# Altium PCB PCBFireflyCaseV2.PcbDoc (part 2 of 2)
Units mil, origin at the board's own origin, x right, y up, seen from the top; angles counter-clockwise.
Board outline 2748 x 1806 mil, 2 copper layers (Top Layer, Bottom Layer); 152 components, 135 nets, 532 pads, 332 vias.
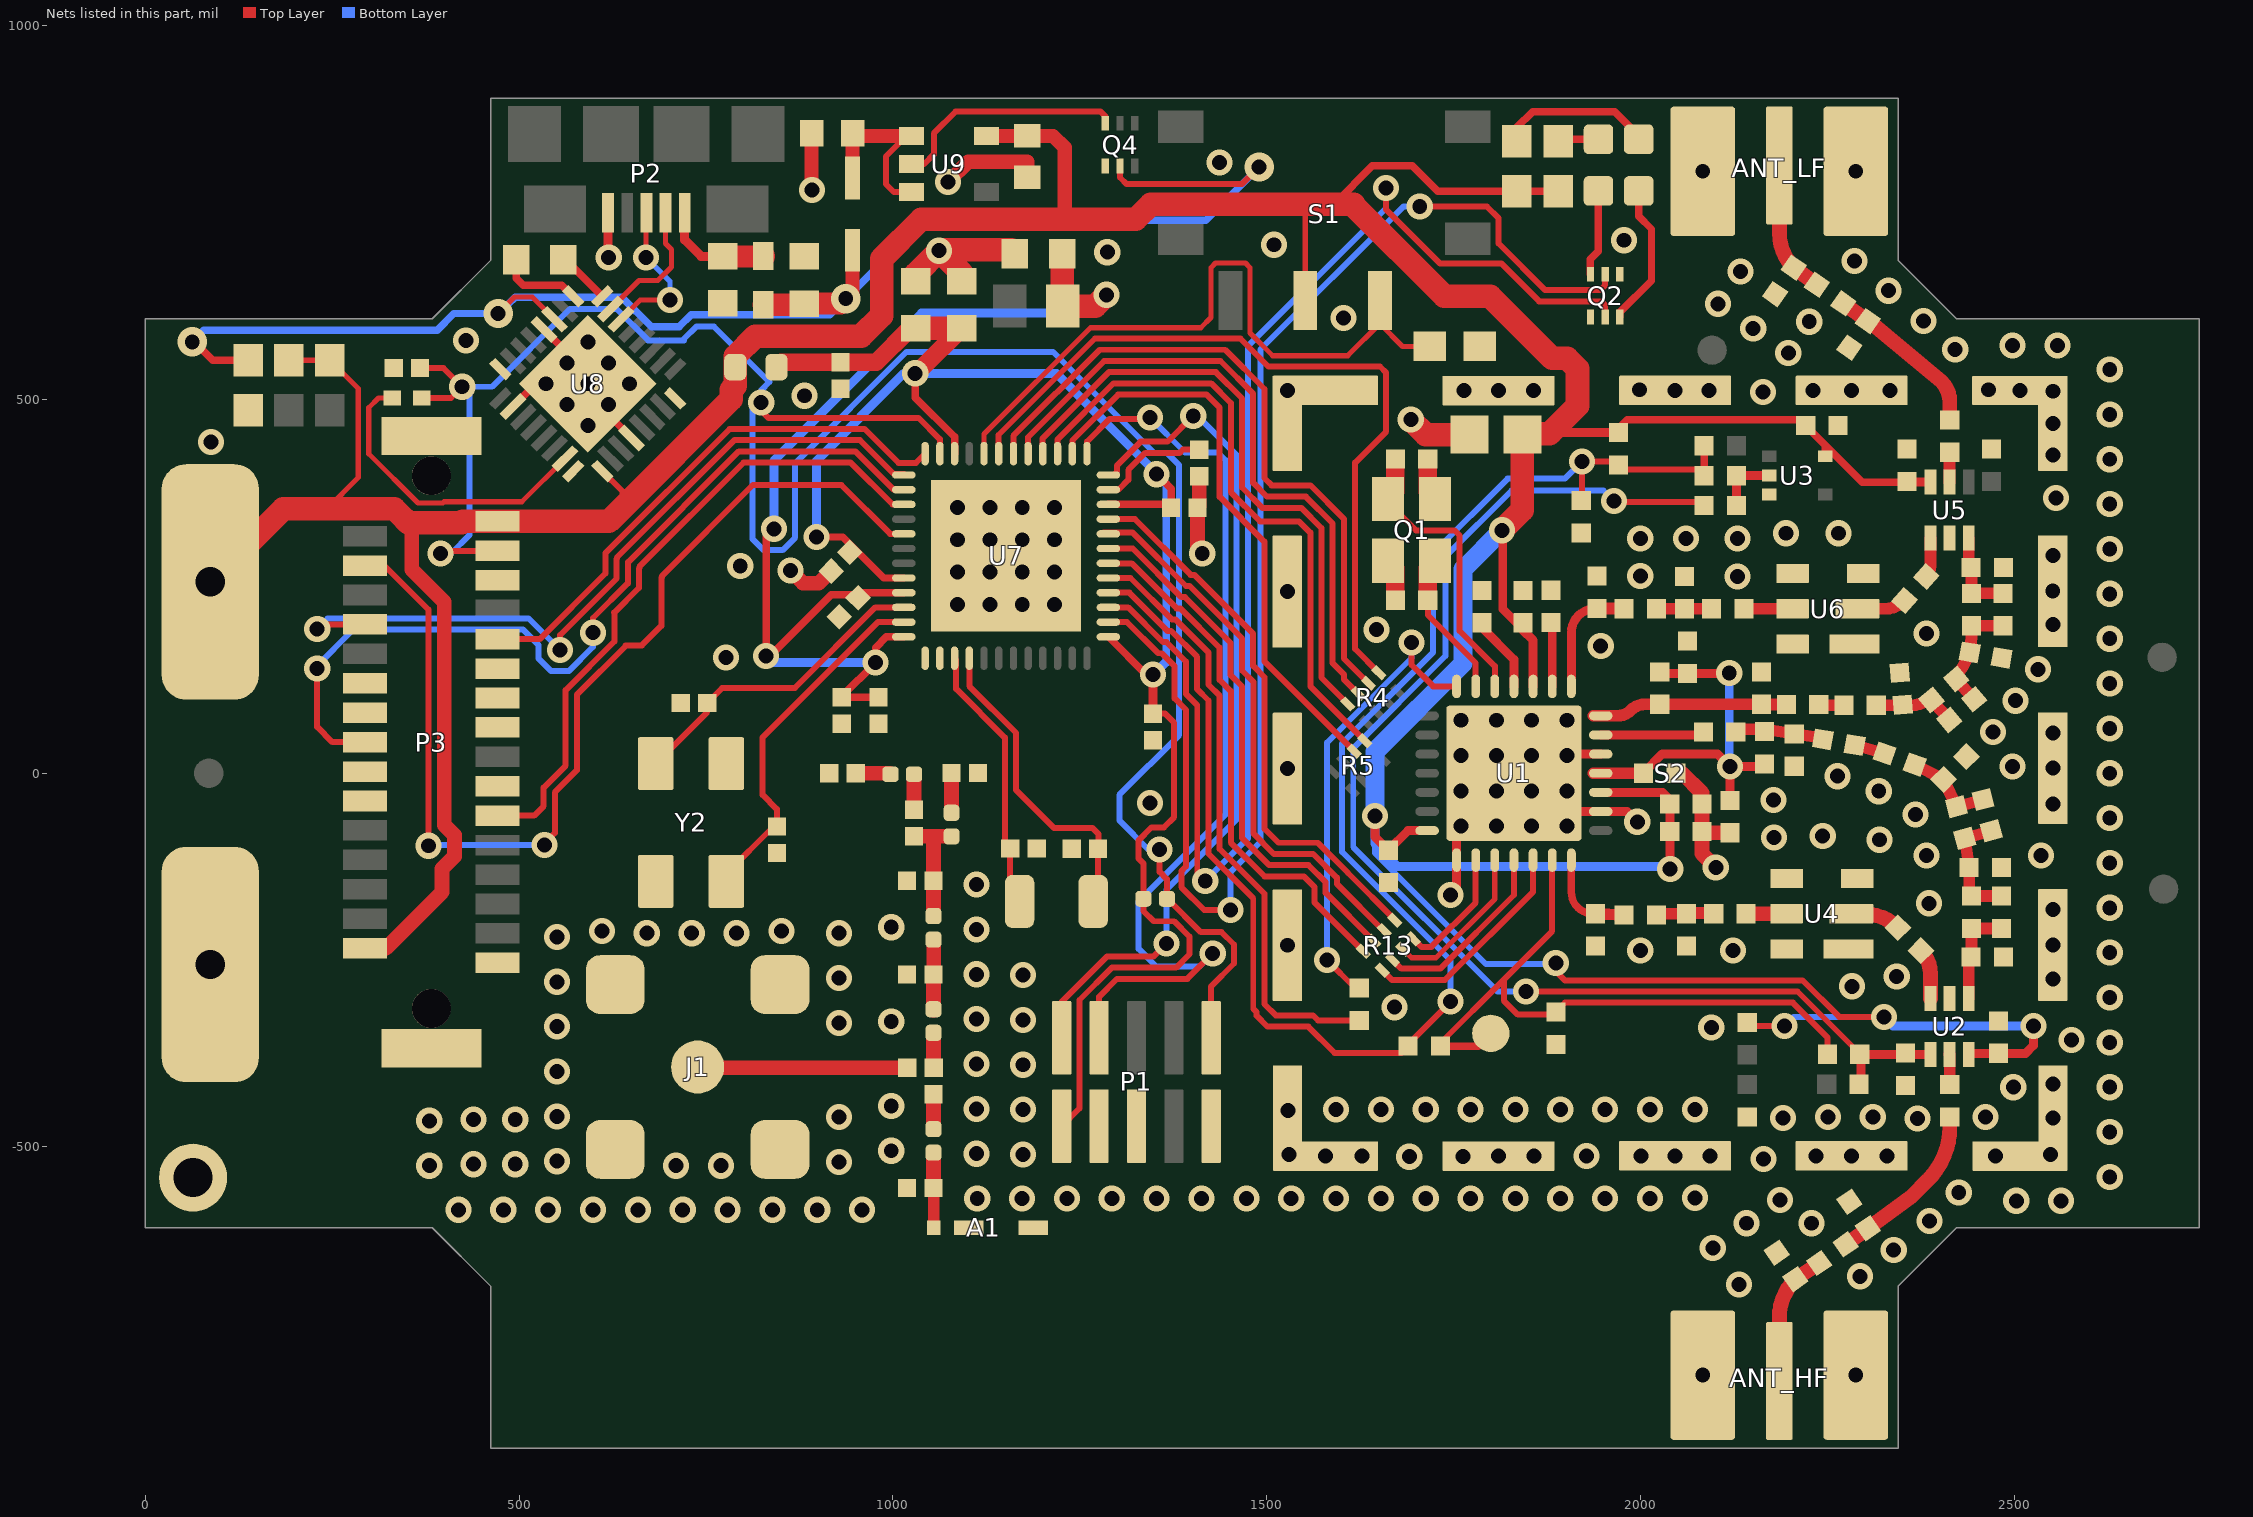
[diagram p2: the nets of this part, all layers, seen from the top]

## Via types
v1: diameter 35, hole 20, Top Layer to Bottom Layer, 319 vias
v2: diameter 35, hole 20, Top Layer to Bottom Layer, tented top, 9 vias
v3: diameter 39.4, hole 19.7, Top Layer to Bottom Layer, 4 vias

## Nets (pads, with @x,y where several pads share a name; then routed paths per layer and width w, separated by ;. In a path a pad name is that pad's centre, name@x,y a point inside that pad or via, vN(x,y) a via of type N, cw(c..) or ccw(c..) an arc to the next point about the centre after c; other vN are vias at no path point) (continued)
DIO8: Q2.G1 U7.14 | length 1886.4
  Top Layer w8: U7.14@1288.39,202.12 1313.38,202.12 1355.01,160.5 1359.8,160.5 1377.12,143.19 1377.12,100.1 1392.32,84.9 1392.32,-124.68 1386,-131 1386,-152.31 1416.7,-183 v1(1452,-183) ; v1(1705,758) 1795,758 1810.44,742.56 1810.44,708.56 1872.7,646.3 1946.3,646.3 1953,653 Q2.G1@1953,667.54
  Bottom Layer w8: v1(1452,-183) 1452,-131.69 1492,-91.69 1492,567 1683,758 v1(1705,758)
DIO9: Q2.G2 U7.15 | length 1855.7
  Top Layer w8: U7.15@1288.39,221.81 1314.91,221.81 1361.22,175.5 1366.02,175.5 1392.12,149.4 1392.12,106.31 1407.32,91.11 1407.32,-133.32 v1(1418,-144) ; v1(1660,783) 1660,753.83 1731.83,682 1814,682 1864.7,631.3 1947.7,631.3 1953,626 Q2.G2@1953,610.46
  Bottom Layer w8: v1(1418,-144) 1475,-87 1475,571.21 1660,756.21 v1(1660,783)
DIO10: R9.2 R10.1 R11.2 R15.2 R21.2 U7.16 | length 2211.7
  Top Layer w8: U7.16@1288.39,241.49 1316.44,241.49 1367.43,190.5 1372.23,190.5 1407.12,155.61 1407.12,112.52 1422.32,97.32 1422.32,-107.53 1482.23,-167.44 1482.23,-315.1 1486.8,-319.68 1486.8,-324.43 1501.37,-339 1556,-339 1591,-374 1680.35,-374 R21.2@1689.35,-365 ; R21.2@1688.07,-363.73 v1(1746.3,-305.5) ; R10.1@1921,364.65 1925,368.65 1922,371.65 v1(1922,417) 1966.35,417 R9.2@1976.85,406.5 ; R9.2@1971,412.35 R9.2@1976.85,406.5 ; R15.2@2085.35,398 2076.85,406.5 R9.2@1976.85,406.5
  Top Layer w10: R15.2@2085.35,398 R11.2@2085.35,438
  Bottom Layer w8: v1(1746.3,-305.5) 1746.3,-250.45 1601,-105.15 1601,39.86 1722.5,161.36 1722.5,294.02 1822.48,394 1899,394 v1(1922,417)
DIO11: R14.2 U7.17 | length 812.5
  Top Layer w8: U7.17@1288.39,261.18 1317.97,261.18 1373.65,205.5 1378.44,205.5 1422.12,161.83 1422.12,118.73 1437.32,103.54 1437.32,-101.32 1497.23,-161.23 1497.23,-308.89 1512.34,-324 1562.21,-324 1568.87,-330.65 R14.2@1624,-330.65
DIO12: R13.8 U7.18 | length 712.4
  Top Layer w8: U7.18@1288.39,280.86 1319.5,280.86 1379.86,220.5 1384.66,220.5 1437.12,168.04 1437.12,124.95 1452.32,109.75 1452.32,-92.96 1497.36,-138 1550,-138 1564,-152 1564,-172.76 R13.8@1629.59,-238.35
DIO13: R13.7 U7.19 | length 724.5
  Top Layer w8: U7.19@1288.39,300 U7.19@1288.39,300.55 1321.02,300.55 1386.07,235.5 1390.87,235.5 1452.12,174.25 1452.12,131.16 1467.32,115.96 1467.32,-86 ; 1467.45,-86.88 1503.57,-123 1556.21,-123 1579,-145.79 1579,-159.92 R13.7@1643.51,-224.43
DIO14: R13.6 U7.20 | length 751.3
  Top Layer w8: U7.20@1288.39,320.23 1283.74,320.23 1282.18,321.8 1320.99,321.8 1392.29,250.5 1397.08,250.5 1467.12,180.47 1467.12,137.37 1482.32,122.18 1482.32,-80.53 1509.79,-108 1562.43,-108 1594,-139.57 1594,-148 R13.6@1656.97,-210.97
DIO15: R13.5 U7.21 | length 749.5
  Top Layer w8: U7.21@1288.39,339.92 1324.08,339.92 1398.5,265.5 1403.3,265.5 1482.12,186.68 1482.12,143.59 1497.32,128.39 1497.32,-74.32 1516,-93 1568.64,-93 1609,-133.36 1609,-133.43 R13.5@1671.76,-196.19
DIO16: R5.6 U7.26 | length 781.5
  Top Layer w8: U7.26@1240.16,427.52 1240.16,445.13 1301.54,506.5 1419.8,506.5 1437.21,489.1 1437.21,369.79 1497.12,309.88 1497.12,149.8 R5.6@1617.43,29.49
DIO17: R5.5 U7.27 | length 849.3
  Top Layer w8: U7.27@1220.48,427.52 1220.48,446.65 1295.32,521.5 1426.02,521.5 1452.21,495.31 1452.21,376.01 1491.19,337.02 1543.2,337.02 1558.5,321.72 1558.5,116.26 R5.5@1631.35,43.41
DIO18: R4.8 U7.28 | length 835.9
  Top Layer w8: U7.28@1200.53,427.78 1200.53,447.92 1289.11,536.5 1432.23,536.5 1467.21,501.52 1467.21,382.22 1494.43,355 1546.43,355 1573.5,327.93 1573.5,127.74 R4.8@1608.59,92.65
DIO19: R4.7 U7.29 | length 873.6
  Top Layer w8: U7.29@1181.11,427.52 1180.84,427.78 1180.84,449.45 1282.9,551.5 1438.44,551.5 1482.21,507.74 1482.21,388.43 1500.64,370 1552.65,370 1588.5,334.15 1588.5,147.21 1603.49,132.22 1603.49,125.59 R4.7@1622.51,106.57
DIO20: R4.6 U7.30 | length 910.6
  Top Layer w8: U7.30@1161.42,427.52 1161.42,451.24 1276.68,566.5 1444.66,566.5 1497.21,513.95 1497.21,394.65 1506.85,385 1558.86,385 1603.5,340.36 1603.5,153.42 R4.6@1636.43,120.49
DIO21: R4.5 U7.31 | length 1047.7
  Top Layer w8: U7.31@1141.74,427.52 1141.47,427.78 1141.47,452.5 1270.47,581.5 1464.87,581.5 1502.34,544.03 1651.72,544.03 1659.97,535.79 1659.97,456.97 1618.5,415.5 1618.5,166.26 R4.5@1650.35,134.41
DIO22: R20.2 S1.NO U7.32 | length 920.7
  Top Layer w7: U7.32@1122.05,427.52 1122.05,453.59 1264.46,596 1412,596 1425.55,609.55 1425.55,676.24 1431.7,682.39 1471.9,682.39 1478.05,676.24 1478.05,588.83 1508.34,558.53 1608.53,558.53 S1.NO@1651.8,601.8 ; S1.NO@1651.8,632.52 S1.NO@1651.8,601.8 ; R20.2@1718.54,571 1682,571 1651.8,601.2 S1.NO@1651.8,601.8
DIO23: P3.9 U7.36 | length 728.3
  Top Layer w8: P3.9@471.33,179.38 527.71,179.38 615.5,267.17 615.5,292.67 616,293.17 616,294.75 781.75,460.5 962.33,460.5 1007.83,415 1030.79,415 U7.36@1043.31,427.52
DIO24: P3.8 U7.37 | length 1050.1
  Top Layer w8: v1(230,193) 236.06,199.06 P3.8@294.17,199.06 P3.8@285.11,190 ; v1(554.77,165.05) 554.77,184.6 630.5,260.32 630.5,286.46 631,286.96 631,288.54 787.96,445.5 956.11,445.5 1001.61,400 U7.37@1014.77,400
  Bottom Layer w8: v1(230,193) 244,207 512.82,207 v1(554.77,165.05)
DIO25: P3.16 U7.38 | length 1173.5
  Top Layer w8: v1(230,140) 230,62 250.42,41.58 P3.16@294.17,41.58 ; v1(599,188) 599,207.61 645.5,254.11 645.5,280.25 646,280.75 646,282.32 794.18,430.5 949.9,430.5 1001.11,379.29 U7.38@1014.77,379.29
  Bottom Layer w8: v1@228,142 278,192 505.6,192 526.27,171.33 526.27,153.25 542.97,136.55 566.58,136.55 599,168.97 v1(599,188)
DIO26: P3.21 U7.39 | length 875
  Top Layer w8: P3.21@471.33,-56.84 520.3,-56.84 533,-44.14 533,-19.31 562.5,10.19 562.5,111.19 627.5,176.19 627.5,214.5 627.3,214.7 660.5,247.9 660.5,274.03 661,274.53 661,276.11 800.39,415.5 943.69,415.5 999.58,359.61 U7.39@1014.77,359.6
DIO28: P3.4 U7.41 | length 1418.7
  Top Layer w8: P3.4@294.17,277.8 320.11,277.8 379,218.91 v1(379,-97) ; v1@533,-95 548,-80 548,-25.52 577.5,3.98 577.5,104.98 642.5,169.98 642.5,171 664.31,171 690.5,197.19 690.5,261.61 691,262.11 691,263.68 812.82,385.5 931.26,385.5 996.52,320.24 U7.41@1014.77,320.23
  Bottom Layer w8: v1(379,-97) 380,-96 v1(534,-96)
FTDI_3V3: C73.2 U8.16 | length 72.3
  Top Layer w10: C73.2@559.5,687 562.41,687 U8.16@611.49,637.92
FTDI_CTS: U8.8
FTDI_DTR: C76.2 U8.31 | length 412.6
  Top Layer w7: C76.2@330.31,502 312,502 299,489 299,427.41 365.03,361.38 397.87,361.38 399.6,363.11 503.7,363.11 U8.31@561.38,420.78
FTDI_RTS: U8.32
FTDI_VIO: C3.2 C6.1 C21.2 C23.2 C26.2 C27.2 C43.2 C45.2 C75.2 FL1.2 J2.pos P3.1 P3.30 R7.1 R9.1 R17.1 R18.1 R22.2 R23.2 S1.COM U1.3 U1.14 U1.24 U2.6 U3.5 U5.6 U8.1 U9.VOUT | length 7475.1
  Top Layer w7: R23.2@192,552.46 R22.2@247,552.46 285,514.46 285,395.7 243,353.7
  Top Layer w8: U8.1@611.49,404.08 638.42,377.14 638.42,355 ; 1544,759 1551.8,751.2 S1.COM@1551.8,632.52 ; v1(1887,-254) 1887,-265 1899,-277 2217,-277 2266,-326 v1(2326,-326) ; R7.1@2143,-333.35 2147.65,-338 v1(2193,-338)
  Top Layer w10: 1591,762 1641.5,812.5 1695.13,812.5 1729.09,778.54 R17.1@1835,778.54 R18.1@1890,778.54 ; 1616.5,759.5 1616.5,761 ; R9.1@1971,461.8 1982.2,473 2213.35,473 C6.1@2221.35,465 2247.46,438.89 ; U3.5@2247.46,424 2247.46,438.89 ; C43.2@2357,389.35 2297,389.35 2247.46,438.89
  Top Layer w11.81: v1(1645,-57) 1645,-84.97 C21.2@1662.99,-102.96 1689.18,-76.77 U1.14@1714.86,-76.77 ; v1@1816,325 1816,219.74 1834.4,201.35 C3.2@1843,201.35 1843,191.46 1856.59,177.87 U1.3@1856.59,116.14
  Top Layer w12: 1878.54,454 1880.19,455.65 R9.1@1971,455.65 ; U1.24@1947.14,-25.59 1947.14,-25.8 2029.8,-25.8 2040,-36 v1(2040,-128) ; C43.2@2357,389.35 2388.02,389.35 U5.6@2388.08,389.4 ; U2.6@2439.26,-376.04 2440.64,-374.65 C45.2@2479,-374.65 2515.35,-374.65 2526,-364 v1(2526,-338)
  Top Layer w19: U9.VOUT@1125.2,852.4 C75.2@1179.84,852.4 ; C75.2@1180,852.56 1214.44,852.56 1230,837 1230,741.13
  Top Layer w20: P3.30@294.17,-234.01 322.15,-234.01 397,-159.16 397,-127.79 413.5,-111.29 413.5,-82.71 400,-69.21 400,229 356.5,272.5 356.5,330.22
  Top Layer w31.5: J2.pos@87,255.91 184.79,353.7 243,353.7 333.12,353.7 346.45,340.37 346.45,340.27 351.59,335.13 423.14,335.13 424.87,336.86 P3.1@471.33,336.86 620.28,336.86 638.42,355 783.75,500.33 783.75,512.67 789.25,518.17 789.25,557.8 816.2,584.75 957.68,584.75 985,612.07 985,688 1038.13,741.13 1230,741.13 1325.13,741.13 1345,761 1616.5,761 ; 1616.5,759.5 1738,638 1799,638 1882,555 1902,555 1916,541 1916,491.46 1880.19,455.65 ; v1(1815,325) 1842,352 1842,458 1846,454 1878.54,454
  Bottom Layer w8: 1645,-94.28 1645,-106.72 1793.64,-255.36 v1@1885.64,-255.36 ; v1(2193,-338) 2205,-326 v1(2326,-326)
  Bottom Layer w12: v1(1645,-57) 1645,-94.28 1675.72,-125 v1@2040,-125 ; v1(2326,-326) 2338,-338 v1(2526,-338)
  Bottom Layer w25.59: v1(1645,-57) 1645,29 1763,147 1763,273 v1(1815,325)
GND: A1.2 A1.3 ANT_HF.2 ANT_LF.2 C1.1 C2.1 C3.1 C4.1 C5.1 C6.2 C7.1 C8.1 C10.1 C11.1 C13.1 C15.1 C16.1 C17.1 C21.1 C22.2 C23.1 C25.1 C26.1 C27.1 C29.1 C30.1 C32.1 C34.1 C35.1 C37.1 C40.1 C41.1 C42.2 C43.1 C45.1 C46.1 C47.1 C48.1 C49.1 C50.1 C51.1 C52.1 C53.1 C54.1 C55.1 C56.1 C57.1 C58.1 C62.1 C63.1 C64.1 C65.1 C66.1 C67.1 C68.1 C69.1 C70.1 C71.1 C72.1 C73.1 C74.1 C75.1 GND.1 J1.2 J1.3 J1.4 J1.5 J2.neg L13.1 P1.3 P1.5 P1.9 P2.Pin5 P3.31 P3.M3 P3.M4 Q1.2 Q1.4 Q2.S1 Q2.S2 Q4.S1 R8.2 R10.2 R19.1 R20.1 S2.SHIELD U1.15 U1.23 U1.26 U1.29 U2.2 U3.3 U4.1 U4.3 U4.4 U4.6 U5.2 U6.1 U6.3 U6.4 U6.6 U7.49 U8.4 U8.17 U8.20 U8.24 U8.26 U8.33 Y2.2 Y2.4 | length 2014.2
  Top Layer w10: U8.26@491.78,490.38 522.4,521 v2(592,521) ; C73.1@496.5,687 496.5,662.31 505.82,653 557.44,653 U8.17@572.51,637.92 ; U8.20@533.54,593.38 592,534.92 v2(592,521) ; v1@619.21,690.79 v1(620,690) ; U8.4@650.46,448.62 592,507.08 v2(592,521)
  Top Layer w12: v1@619.21,690.79 P2.Pin5@619.21,749.69 ; v1(1746,-163) 1754.23,-154.77 U1.15@1754.23,-116.14 1754.23,-76.77 v1(1760.13,-70.87) v1(1807.38,-23.62) ; U1.29@1760.13,25.59 U1.26@1947.14,25.59 ; U1.29@1831,0 v1(1854.62,-23.62) 1882.18,-51.18 U1.23@1947.14,-51.18 1982.18,-51.18 v1(1996,-65)
  Top Layer w19: C74.1@891.44,856 891.44,780.56 v1(892,780) ; v1(1074,791) 1101,818 1180,818 C75.1@1180,797.44
  Top Layer w19.68: v1(863,271) 880,254 901,254 C50.1@917.47,270.47
  Top Layer w20: C68.1@1410,397.28 1410,357.28 C49.1@1407.72,355 1407.72,298.28 1412,294 v1(1414,294) ; C35.1@2047.65,0 2056.11,0 2082.65,-26.55 C27.1@2082.65,-41 C26.1@2082.65,-78 ; v1(2101,-126) 2082.65,-107.65 C26.1@2082.65,-78 ; C8.1@2120,-79.65 2084.31,-79.65 C26.1@2082.65,-78
  Top Layer w25: Q1.4@1662.45,284.2 1672.39,274.26 C1.1@1672.39,231.32 ; C2.1@1715.6,420.23 1715.6,376.73 Q1.2@1725.44,366.88
  Top Layer w31.5: C52.1@1031,657.99 1031,668 v1(1062,699) 1092,669 C51.1@1092,657.99 ; v1@1062,700 1158.5,700 C53.1@1163.5,695 ; v1(1693,473) 1713,453 C23.1@1771.57,453
  other v1: 2132,-684 2294,-673 2339,-638 2097,-635 2142,-602 2229,-602 2387,-599 419,-584 479,-584 539,-584 599,-584 659,-584 719,-584 779,-584 839,-584 899,-584 959,-584 2503,-572 2563,-572 2187,-571 1113,-569 1173,-569 1233,-569 1293,-569 1353,-569 1413,-569 1473,-569 1533,-569 1593,-569 1653,-569 1713,-569 1773,-569 1833,-569 1893,-569 1953,-569 2013,-569 2073,-568 2426,-561 2628,-540 380,-525 710,-525 770,-525 439,-523 495,-523 928,-520 551,-519 2165,-516 1691,-513 1763,-513 1579.03,-512.2 1628,-512 1810.23,-512.18 1858,-512 1928,-512 2001,-512 2046.53,-511.96 2093,-512 2235,-512 2282.68,-511.96 2330,-512 2475,-512 1174,-510 1530,-510 2549,-510 1112,-509 998,-505 2628,-480 380,-465 439,-463 495,-463 2371,-462 2191,-461 2552.07,-461.37 928,-460 2251,-460 2311,-460 2462,-460 551,-459 1529,-451 1174,-450 1593,-450 1653,-450 1713,-450 1773,-450 1833,-450 1893,-450 1953,-450 2013,-450 2073,-450 1112,-449 998,-445 2499,-420 2628,-420 2552,-416 551,-399 1174,-390 1112,-389 2628,-360 2577,-357 2095,-340 551,-339 928,-334 998,-332 1174,-330 1112,-329 1671,-313 2628,-300 2283,-285 551,-279 2552,-275 928,-274 2343,-272 1174,-270 1112,-269 2628,-240 2000,-237 2124,-237 1527.91,-230.1 2551.85,-229.57 551,-219 671,-214 731,-214 791,-214 928,-214 611,-211 851,-211 1112,-209 998,-206 2552,-182 2628,-180 2386,-174 1112,-149 2628,-120 2383,-110 2536,-110 2320,-89 2179,-86 2244,-84 1807.38,-70.87 1854.62,-70.87 1901.87,-70.87 2628,-60 2368,-55 2552,-41 1344,-40 2178,-36 1760.13,-23.62 1901.87,-23.62 2319,-24 2264,-4 2628,0 1528,6.17 2551.94,6.7 2498,9 1760.13,23.62 1807.38,23.62 1854.62,23.62 1901.87,23.62 2552,54 2472,55 2628,60 1760.13,70.87 1807.38,70.87 1854.62,70.87 1901.87,70.87 2502,97 2628,120 2532,139 777,155 1947,170 2628,180 2383,187 1647,192 2552,199 1086.62,225.75 1129.92,225.75 1173.23,225.75 1216.54,225.75 2628,240 1527.8,242.95 2551.75,243.48 2130,263 2000,264 1086.62,269.05 1129.92,269.05 1173.23,269.05 1216.54,269.05 796,277 2552,291 2628,300 1086.62,312.36 1129.92,312.36 1173.23,312.36 1216.54,312.36 2000,314 2061,314 2130,314 2195,321 2265,321 1086.62,355.67 1129.92,355.67 1173.23,355.67 1216.54,355.67 2628,360 2556,368 2628,420 2552,426 88,443 2551.97,467.91 2628,480 882,505 2164,510 2552,511 1528,512 1764,512 1810.31,511.85 1857,512 2046.6,512.07 2092,512 2231,512 2282.75,512.07 2334,512 2507.82,511.99 1999,513 2466,513 2628,540 2198,562 2421.28,566.76 2498,572 2558,572 429,579 2151,595 2226,604 2379,605 1603,609 2104,628 2332.26,645.5 2134,671 2286.67,685.19 1287,697 1510,707 1978,713 1437,817
  other v2: 592,465.32 564.16,493.16 619.84,493.16 536.32,521 647.68,521 564.16,548.84 619.84,548.84 592,576.68
JTAG_TCK: P1.4 U7.25 | length 1287.3
  Top Layer w8: U7.25@1259.85,427.52 1259.85,443.6 1290.25,474 1342,474 v1(1344,476) ; P1.4@1276,-353.94 1276,-299 1300,-275 1394,-275 v1(1428,-241)
  Bottom Layer w8: v1(1344,476) 1391,429 1435,429 1445,419 1445,-55.48 1329,-171.48 1329,-235 1352.5,-258.5 1410.5,-258.5 v1(1428,-241)
JTAG_TMS: P1.2 U7.24 | length 1143.7
  Top Layer w8: P1.2@1226,-353.94 1226,-305.92 1286.92,-245 1349,-245 v1(1366,-228) ; U7.24@1288.39,398.97 1295.76,398.98 1300.14,403.35 1300.14,411.97 1331.66,443.5 1367.5,443.5 v1(1402,478)
  Bottom Layer w8: v1(1366,-228) 1366,-155.69 1460,-61.69 1460,425.21 1407.21,478 v1(1402,478)
MCU_NRESET: C58.2 C76.1 P1.10 P3.3 R12.1 U7.35 | length 3182.3
  Top Layer w8: C58.2@367.72,542 399,542 v1(424,517) 409,502 C76.1@369.68,502 ; v1(395,294) 395,295 397.49,297.49 P3.3@471.33,297.49 ; v1(824,496) 824,485 833.5,475.5 1034.36,475.5 1063,446.86 U7.35@1063,427.52 ; v1(1357,-102) 1357,-132 1366.75,-141.75 R12.1@1366.75,-168 1367.52,-168 1412.02,-212.5 1439.8,-212.5 1456.5,-229.19 1456.5,-254.5 1426,-285 P1.10@1426,-353.94
  Bottom Layer w8: v1(395,294) 409,294 434,319 434,506 v1@423.5,516.5 ; v1(424,517) 464,517 568,621 630.65,621 672.65,579 720.5,579 720.5,580.81 737.19,597.5 760.81,597.5 835,523.31 824,512.31 v1(824,496) 821,496 812.5,487.5 812.5,313.19 827.19,298.5 852.81,298.5 869.5,315.19 869.5,414.81 1018.19,563.5 1214.5,563.5 1349.5,428.5 1366.5,428.5 1383,412 1383,51 1303,-29 1303,-63 1342,-102 v1(1357,-102)
MCU_RX0: P3.18
MCU_TX0: P3.19
MISO: P3.13
MISO_SX: R13.3 U1.17 | length 212.1
  Top Layer w7: R13.3@1682.49,-235.57 1693.76,-246.84 1726.6,-246.84 1805.41,-168.03 U1.17@1805.41,-116.14
MOSI: P3.12
MOSI_SX: R13.2 U1.18 | length 254.9
  Top Layer w8: R13.2@1668.57,-249.49 1680.42,-261.34 1732.61,-261.34 1831,-162.95 U1.18@1831,-116.14
NetA1_1: A1.1 C64.2 R16.1 | length 96.4
  Top Layer w15.75: A1.1@1054.77,-607.98 C64.2@1054.77,-558.4
  Top Layer w19.68: R16.1@1054.42,-508.06 1054.42,-554.75 C64.2@1054.52,-554.75
NetANT_HF_1: ANT_HF.1 C47.2 L14.2 | length 180.4
  Top Layer w20: ANT_HF.1@2186,-813 2186,-728.45 cw(c2259.13,-728.45) C47.2@2207.42,-676.74 L14.2@2239.17,-655.18
NetANT_LF_1: ANT_LF.1 C41.2 L11.2 | length 180.3
  Top Layer w20: ANT_LF.1@2186,813 2186,722.97 ccw(c2251.81,722.97) C41.2@2205.27,676.44 L11.2@2236.26,653.42
NetC4_2: C4.2 U1.2 | length 85.2
  Top Layer w11.81: U1.2@1882.18,116.14 C4.2@1882.18,201.35
NetC5_2: C5.2 U1.4 | length 102.9
  Top Layer w11.81: C5.2@1788.34,201.35 1788.34,194.69 1831,152.03 U1.4@1831,116.14
NetC7_2: C7.2 C8.2 C35.2 L1.1 L2.2 U1.25 | length 510.7
  Top Layer w12: C35.2@2004.35,0 2004.35,0.67 2029.47,25.8 2103.2,25.8 v1(2120,9) ; L1.1@2026,133.65 2026.31,133.35 C7.2@2063,133.35 ; C7.2@2063,133.65 v1@2118.65,133.65 ; C8.2@2120,-36.35 v1(2120,9) ; L2.2@2166,9 v1(2120,9)
  Top Layer w15.75: U1.25@1937,0 U1.25@1947.14,0 C35.2@2004.35,0 ; v1@2118.65,133.65 v1(2119,134)
  Bottom Layer w12: v1@2119,9 v1(2119,134)
NetC9_1: C9.1 L4.1 | length 41.4
  Top Layer w15.75: C9.1@2286.87,37.74 L4.1@2326.65,26.41
NetC9_2: C9.2 C10.2 L2.1 L3.1 | length 114.7
  Top Layer w15.75: L3.1@2131.31,59 2166,58.65 C10.2@2206,52.65 C9.2@2245.08,46.6
NetC11_2: C11.2 C12.2 L4.2 L5.1 | length 120.5
  Top Layer w15.75: L4.2@2367.35,11.59 C11.2@2405.69,-8.31 L5.1@2423,-45 C12.2@2458.51,-35.52
NetC12_1: C12.1 C13.2 C14.2 L5.2 L6.1 | length 155.3
  Top Layer w15.75: L6.1@2440,-165 2440,-164.35 C13.2@2439.95,-126.06 L5.2@2434.21,-86.83 C12.1@2469.72,-77.35 ; L6.1@2443,-164.35 C14.2@2483,-164.35
NetC14_1: C14.1 C15.2 L6.2 U2.1 | length 135.1
  Top Layer w15.75: U2.1@2439.26,-301.23 2439.26,-249.09 C15.2@2442.35,-246 2443,-245.35 L6.2@2443,-207.65 C14.1@2483,-207.65
NetC16_2: C16.2 L7.1 U1.21 | length 130.1
  Top Layer w10: U1.21@1907.77,-116.14 1907.77,-159.17 ccw(c1936.6,-159.17) C16.2@1936.6,-188
  Top Layer w15.75: C16.2@1936.6,-188 1939.99,-188.13 L7.1@1978.35,-189.65
NetC17_2: C17.2 C18.2 L7.2 | length 77.4
  Top Layer w15.75: L7.2@2021.65,-189.65 cw(c2025.65,-193.65) 2025.65,-188 C17.2@2062,-188 cw(c2064.76,-190.76) 2064.76,-186.86 C18.2@2098.35,-186.86
NetC18_1: C18.1 U4.5 | length 54.1
  Top Layer w20: C18.1@2141.65,-188 U4.5@2195.76,-188
NetC19_1: C19.1 U2.3 | length 67.3
  Top Layer w20: C19.1@2375.31,-237.31 cw(c2344.49,-268.13) 2388.08,-268.13 U2.3@2388.08,-301.23
NetC19_2: C19.2 U4.2 | length 67.3
  Top Layer w20: U4.2@2282.37,-188 2299.57,-188 cw(c2299.57,-251.81) C19.2@2344.69,-206.69
NetC20_1: C20.1 C46.2 L14.1 | length 232.5
  Top Layer w20: L14.1@2274.65,-630.34 2302.88,-610.25 2363,-566 2384.71,-544.29 ccw(c2314,-473.58) 2414,-473.58 C20.1@2414,-459.65
NetC20_2: C20.2 U2.5 | length 40.4
  Top Layer w15.75: U2.5@2413.67,-376.04 2414,-376.37 C20.2@2414,-416.35
NetC28_1: C28.1 L8.1 | length 33.7
  Top Layer w15.75: C28.1@2238.65,91 L8.1@2272.35,91
NetC28_2: C28.2 C29.2 L1.2 U1.28 | length 262.5
  Top Layer w15.75: U1.28@1937,76.77 U1.28@1947.14,76.77 1969.55,76.77 ccw(c1969.55,101.45) 1987,84 cw(c2007.15,63.85) 2007.15,92.35 C29.2@2162,92.35 ; C29.2@2162,92 C28.2@2195.35,92
NetC30_2: C30.2 C31.2 L8.2 L9.1 | length 110.6
  Top Layer w15.75: L8.2@2315.65,91 2363.07,91 ccw(c2363.07,125.42) L9.1@2387.41,101.08 ; L9.1@2389.41,98.08 C31.2@2413.41,71.08
NetC31_1: C31.1 C32.2 C33.2 L9.2 L10.1 | length 152.5
  Top Layer w15.75: L9.2@2420.59,128.92 ccw(c2366.48,183.03) 2443,183.03 L10.1@2443,197.35 C33.2@2485,197.35 ; L9.2@2422.59,125.92 C31.1@2446.59,98.92
NetC33_1: C33.1 C34.2 L10.2 U5.3 | length 119.7
  Top Layer w15.75: U5.3@2439.26,314.6 2439.26,275 C34.2@2442.35,275 2443,275 L10.2@2443,240.65 C33.1@2485,240.65
NetC36_1: C36.1 U6.5 | length 65.1
  Top Layer w15.75: C36.1@2138.65,220 U6.5@2203.76,220
NetC36_2: C36.2 C37.2 L12.2 | length 73.7
  Top Layer w15.75: L12.2@2021.65,220 C37.2@2059,220 C36.2@2095.35,220
NetC38_1: C38.1 U5.1 | length 53
  Top Layer w15.75: C38.1@2382.49,263.09 ccw(c2369,276.58) 2388.08,276.58 U5.1@2388.08,314.6
NetC38_2: C38.2 U6.2 | length 66.1
  Top Layer w15.75: U6.2@2290.37,220 2327.18,220 ccw(c2327.18,257.24) C38.2@2353.51,230.91
NetC39_1: C39.1 C40.2 L11.1 | length 222.1
  Top Layer w20: L11.1@2271.74,628.58 C40.2@2304.42,604.74 ; C40.2@2305.11,605.57 2402.69,524.31 cw(c2375.37,497) 2414,497 C39.1@2414,472.65
NetC39_2: C39.2 U5.5 | length 37.1
  Top Layer w15.75: U5.5@2413.67,389.4 2413.67,426.01 C39.2@2414,426.35
NetC57_2: C57.2 L16.2 | length 47
  Top Layer w19.68: C57.2@950.47,-0.01 995.61,-0.01 L16.2@996.94,-1.33
NetC59_1: C59.1 C62.2 L17.1 L19.2 | length 156.5
  Top Layer w19.68: C59.1@1028.45,-84.45 1054.54,-84.43 ; C62.2@1054.54,-143.9 1054.54,-84.43 ; L17.1@1054.61,-191.6 C62.2@1054.61,-144.81 ; L19.2@1078.69,-84.43 1054.54,-84.43
NetC60_1: C60.1 J1.1 | length 280.3
  Top Layer w19.68: J1.1@739,-394 C60.1@1019.28,-394
NetC60_2: C60.2 C61.2 L18.2 | length 46.8
  Top Layer w19.68: C61.2@1054.52,-394.03 L18.2@1054.55,-347.24
NetC61_1: C61.1 R16.2 | length 46.8
  Top Layer w19.68: R16.2@1054.42,-475.53 C61.1@1054.42,-428.74
NetC63_2: C63.2 L17.2 L18.1 | length 93.6
  Top Layer w19.68: L18.1@1054.45,-316.62 C63.2@1054.45,-269.84 ; C63.2@1054.68,-268.8 L17.2@1054.68,-222.01
NetC66_2: C66.2 U7.3 Y1.1 | length 361.5
  Top Layer w8: U7.3@1082.68,153.9 1084.82,151.76 1084.82,112.85 1150,47.67 1150,-93.47 C66.2@1157.1,-100.58 1157.1,-159.07 Y1.1@1169.61,-171.58
NetC67_2: C67.2 U7.4 Y1.2 | length 430
  Top Layer w8: U7.4@1102.37,153.9 1102.37,116.52 1165,53.88 1165,-22.52 1215.98,-73.5 1267.5,-73.5 1275,-81 1275,-100.72 C67.2@1274.72,-101 1274.72,-164.89 Y1.2@1268.03,-171.58
NetC68_2: C68.2 U7.23 | length 151.8
  Top Layer w8: U7.23@1288.39,379.29 1302.05,379.29 1315.14,392.38 1315.14,405.76 1337.88,428.5 1383.71,428.5 1388.21,433 1409.72,433 C68.2@1410,432.72
NetC71_2: C71.2 L20.1 P2.Pin1 | length 150.9
  Top Layer w12: P2.Pin1@721.57,749.69 721.57,713.43 743.6,691.4 C71.2@772.66,691.4
  Top Layer w29.53: C71.2@772.66,691.4 L20.1@826.68,691.4
  Top Layer w31.5: L20.1@826.68,691.4 L20.1@826.96,691.69
NetC74_2: C74.2 D3.1 U9.EN U9.VIN | length 259
  Top Layer w7: U9.EN@1027.96,785.89 U9.EN@1033.95,785.89
  Top Layer w8: U9.EN@1024.8,777.6 1001.4,777.6 991,788 991,825.3 1018.11,852.4 U9.VIN@1024.8,852.4
  Top Layer w19: D3.1@946,796.23 946,855.44 949.04,852.4 U9.VIN@1018.11,852.4
NetD1_A: D1.A R18.2 | length 55.1
  Top Layer w10: R18.2@1890,845.46 1892.6,848.06 D1.A@1944,848.06
NetD1_C: D1.C Q2.D2 | length 115.9
  Top Layer w10: Q2.D2@1933.31,667.54 1933.31,687.31 1944,698 D1.C@1944,779
NetD2_A: D2.A R17.2 | length 208.4
  Top Layer w10: R17.2@1835,845.46 1835,864 1856,885 1966,885 1998,853 D2.A@1998,848.06
NetD2_C: D2.C Q2.D1 | length 193.1
  Top Layer w10: Q2.D1@1972.68,610.46 1972.68,616.69 2015,659 2015,728 1998,745 D2.C@1998,779
NetL3_2: L3.2 U1.27 | length 137.2
  Top Layer w12: U1.27@1947.14,51.18 L3.2@2084.35,51.18
NetL12_1: L12.1 L13.2 U1.1 | length 161.1
  Top Layer w11.81: U1.1@1907.77,116.14 1907.77,187.77 cw(c1940.35,187.77) 1940.35,220.35 L13.2@1942,220.35
  Top Layer w15.75: L13.2@1942,220.35 1978.35,220.35 L12.1@1978.35,220
NetQ4_D1: Q4.D1 U9.GND | length 316.7
  Top Layer w8: U9.GND@1024.8,815 1042,815 1055,828 1055,856 1084,885 1278,885 1284.32,878.69 Q4.D1@1284.32,869.54
NetR6_2: R6.2 R15.1 U3.2 | length 84.4
  Top Layer w12: R6.2@2128.65,358 R15.1@2128.65,398 2128.65,398.41 U3.2@2172.65,398.41
NRESET_SX: R14.1 U1.7 | length 632.5
  Top Layer w8: v1(1581,-250) 1618.35,-287.35 R14.1@1624,-287.35 ; v1(1694,175) 1694,145 1722.86,116.14 U1.7@1754.23,116.14
  Bottom Layer w8: v1(1581,-250) 1581,41.08 1694,154.08 v1(1694,175)
NSS_SX: R13.1 U1.19 | length 298.5
  Top Layer w8: R13.1@1654.65,-263.41 1667.58,-276.34 1738.82,-276.34 1856.59,-158.57 U1.19@1856.59,-116.14
PB4: P3.14
PB5: P3.15
PE2: P3.20
PG1: P3.5
RF_N: C65.2 L19.1 U7.2 | length 53.4
  Top Layer w19.68: L19.1@1078.69,-52.94 C65.2@1078.68,0.46
RF_P: C59.2 L16.1 U7.1 | length 47.7
  Top Layer w19.68: C59.2@1028.45,-49.01 L16.1@1028.45,-1.35
RXTX_LINK: C22.1 R1.2 R2.1 R6.1 U2.4 | length 1760.9
  Top Layer w8: v1(1847,-292) 2210.31,-292 R1.2@2295.31,-377 ; v1@1965,363 2080.35,363 R6.1@2085.35,358 ; C22.1@2355,-376.35 C22.1@2355.31,-376.04
  Top Layer w12: R2.1@2295.31,-420 2295.31,-377 2295.96,-376.35 C22.1@2355,-376.35 ; C22.1@2355.31,-376.04 U2.4@2388.08,-376.04
  Bottom Layer w8: v1(1847,-292) 1809.07,-292 1616,-98.93 1616,33.65 1739.2,156.86 1739.2,289.51 1827.85,378.15 1950.85,378.15 v1(1965,364)
RXTX_RF: R3.2
RXTX_RF_SX: R1.1 R3.1 R21.1 RXTX_RFMDOD.1 U1.20 | length 898.4
  Top Layer w8: R21.1@1732.65,-360.87 1817.5,-276.02 ; U1.20@1882.18,-116.14 1882.18,-211.34 1817.5,-276.02 ; R1.1@2250.35,-376 2250.35,-353.25 2204.09,-307 1899.35,-307 R3.1@1887,-319.35 1883.35,-323 1836.28,-323 1817.5,-304.22 1817.5,-276.02
  Top Layer w10: R21.1@1732.65,-365 1783,-365 RXTX_RFMDOD.1@1800,-348
SCK: P3.11
SCK_SX: R13.4 U1.16 | length 169.3
  Top Layer w8: R13.4@1696.41,-221.65 1707.09,-232.34 1720.6,-232.34 1779.82,-173.11 U1.16@1779.82,-116.14
USB_5V: C72.2 D3.2 L20.2 Q4.G1 R19.2 U8.19 | length 2124.2
  Top Layer w7: R19.2@138,552.46 R19.2@138,554.65 ; v3(472,615) 494,637 517.76,637 U8.19@547.46,607.3
  Top Layer w8: Q4.G1@1304,812.46 1304,797 1313,788 1467,788 v3(1490,811)
  Top Layer w10: v3(63,577) 63,580 90.54,552.46 R19.2@138,552.46
  Top Layer w19: v3@930.31,628.31 v3(937,635) 946,644 D3.2@946,699.77
  Top Layer w29.53: L20.2@826.96,626.73 880.01,626.73 C72.2@881.58,628.31 v3@930.31,628.31
  Bottom Layer w10: v3(63,577) 78.5,592.5 390.42,592.5 412.92,615 v3(472,615) ; v3@485,627 495,637 637.28,637 677.28,597 714.07,597 730.57,613.5 915.5,613.5 v3(937,635) 1042,740 1419,740 v3(1490,811)
USB_D_N: P2.Pin2 U8.15 | length 180.3
  Top Layer w7: U8.15@622.62,621.22 660.4,659 685.6,659 704,677.4 704,700.6 695.98,708.61 P2.Pin2@695.98,749.69
USB_D_P: P2.Pin3 U8.14 | length 206.2
  Top Layer w7: U8.14@636.54,607.3 662.24,633 v1(702,633) ; v1(670,690) 670,749.29 P2.Pin3@670.39,749.69
  Bottom Layer w7: v1(670,690) 702,658 v1(702,633)
VDDR: C53.2 C54.2 C55.2 C56.2 L15.2 U7.45 U7.48 | length 1486.9
  Top Layer w10: v1@829,150 917.73,238.73 949.32,238.73 C54.2@953.53,234.53 960.49,241.49 U7.45@1014.77,241.49 ; v1(830.5,157) 830.5,316.5 v1(841,327) ; C55.2@931.9,101.77 931.9,102.9 v1(977,148) 977,168 991.44,182.44 U7.48@1014.77,182.44 ; C55.2@931.93,101.74 C56.2@980.84,101.74
  Top Layer w31.5: L15.2@1226.5,625.94 C53.2@1226.5,695 ; L15.2@1227.43,625 1271,625 v1(1286,640)
  Bottom Layer w12: v1@831,148 v1(977,148) ; v1(841,327) 841,418 1038.43,615.43 1261.43,615.43 v1(1286,640)
VDDS: C25.2 C48.2 C49.2 C50.2 C51.2 C52.2 FL1.1 P1.1 R12.2 U7.13 U7.22 U7.34 U7.44 | length 2604.6
  Top Layer w8: P1.1@1226,-472.06 1249.8,-448.26 1249.8,-303.33 1293.13,-260 1379,-260 1397,-242 1397,-218.69 1376.3,-198 1349,-198 1335.25,-184.25 R12.2@1335.25,-168 1335.25,-120.56 1328.5,-113.81 1328.5,-90.19 1346.2,-72.5 1362.8,-72.5 1376.5,-58.81 1376.5,67.5 1364.28,79.72 C48.2@1345,79.72
  Top Layer w10: v1(898,316) 933,316 987.82,261.18 U7.44@1014.77,261.18 ; v1(1030,535) 1030,502.49 1082.68,449.81 U7.34@1082.68,427.52 ; U7.13@1288.39,182.44 1288.56,182.44 1339,132 v1(1348,132) ; U7.22@1288.39,359.6 1367.68,359.61 C49.2@1372.28,355 1372.28,380.72 v1(1353,400)
  Top Layer w12: C48.2@1345,79.72 1344,80.72 1349,85.72 1348,86.72 v1(1348,132)
  Top Layer w23.62: FL1.1@844.44,543.28 850.87,549.72 C25.2@930,549.72 977.72,549.72 1023,595 C52.2@1031,595 ; v1@1037,540 C51.2@1092,595
  Top Layer w31.5: C52.2@1031,595 C51.2@1092,595
  Bottom Layer w10: v1(1353,400) 1366,387 1366,149
  Bottom Layer w12: v1(898,316) 898,418 1015,535 v1(1030,535) 1218.96,535 1353,400.96 v1(1353,400) ; v1(1348,132) 1349,132 1366,149
X24M_N: C70.2 U7.46 Y2.3 | length 425.6
  Top Layer w8: Y2.3@682.88,12.86 751.72,81.7 C70.2@751.72,94 771.72,114 869,114 976.81,221.81 U7.46@1014.77,221.81
X24M_P: C69.2 U7.47 Y2.1 | length 483.8
  Top Layer w8: Y2.1@777.37,-144.62 777.37,-134.39 840.47,-71.28 C69.2@845,-71.28 845,-48 826,-29 826,48 980.12,202.12 U7.47@1014.77,202.12
XTA_N: C1.2 Q1.1 U1.6 | length 198.7
  Top Layer w8: C1.2@1715.7,231.32 1715.7,211.63 1779.82,147.51 U1.6@1779.82,116.14
  Top Layer w25: C1.2@1715.7,231.32 1715.7,274.46 Q1.1@1725.44,284.2
XTA_P: C2.2 Q1.3 U1.5 | length 396.2
  Top Layer w8: Q1.3@1660.28,364.72 1700,325 1751.38,325 1758.09,318.29 1758.09,190.44 1805.41,143.13 U1.5@1805.41,116.14
  Top Layer w25: Q1.3@1662.45,366.88 1672.29,376.72 C2.2@1672.29,420.23
pads on no net: Fid1. Fid2. Fid3. Fid4. P1.6 P1.7 P1.8 P2.Pin4 P2.Shield1 P2.Shield2 P2.Shield3 P2.Shield4 P2.Shield5 P2.Shield6 P3.2 Q4.D2 Q4.G2 Q4.S2 R5.1 R5.2 R5.7 R5.8 S1.1 S1.2 S1.3 S1.4 S1.NC U1.22 U3.1 U8.3 U8.5 U8.6 U8.7 U8.12 U8.13 U8.18 U8.23 U8.25 U8.27 U8.28 U8.29 U9.NC

## Polygon pours and split planes (outlines as drawn)
GND on Bottom Layer "Bottom GND Plane" (solid, remove dead copper, pour order 41): 0,0 0,608 384,608 462,686 462,903 2345,903 2345,686 2423,608 2748,608 2748,-608 2423,-608 2345,-686 2345,-903 462,-903 462,-686 384,-608 0,-608 0,0
GND on Top Layer "Top GND Plane" (solid, remove dead copper, pour order 45): 0,0 0,608 384,608 462,686 462,903 2345,903 2345,686 2423,608 2748,608 2748,-608 2423,-608 2345,-686 2345,-903 462,-903 462,-686 384,-608 0,-608 0,0

## Keep-outs
Keep-Out Layer:
  the board outline again, w7

## Other copper
Top Layer:
  rectangle net GND: 1081.76,-632.39 1121.13,-598
  rectangle net GND: 1168.37,-632.39 1207.74,-598
  rectangle net NetA1_1: 1046,-632.39 1064,-599
  rectangle net GND: 1071.04,-619 1214.88,-600
  region net RF_N: 1058.13,143.82 1067.86,143.82 1073.82,74.06 1090.82,3.85 1066.5,3.85
  region net RF_P: 1048.23,143.72 1039.21,3.82 1017.59,3.83 1032.63,74.06 1038.37,143.7
  pour cut-out: 1940,-619 1940,-903 384,-903 384,-619
  text "CJH '16" at 2715,-108 h35 r90
Bottom Layer:
  pour cut-out: 1940,-619 1940,-903 384,-903 384,-619

## Silkscreen, mask and mechanical layers (free items; w line width, h text height)
Top Overlay:
  drawing of 78 lines, arcs and shapes, not listed
  text "CJH '16" at 2715,-108 h35 r90
  text "NC" at 1945,-367 h29.53 r90
  text "LoRaBug v2" at 526,-838 h40
Mechanical 1:
  the board outline again, w10

## Text inside footprints (layer, text, board x,y; h text height)
A1: Mechanical 11 "1" at 1051.83,-607.98 h7.87 r180; Mechanical 11 "3" at 1184.91,-607.98 h7.87 r180; Mechanical 11 "2" at 1098.29,-607.98 h7.87 r180; Mechanical 17 "MICHAL BLACHUCKI" at 635.89,-667.31 h7.87 r180; Mechanical 18 "ROBERT MITAL" at 635.89,-683.06 h7.87 r180; Mechanical 19 "2011-09-19" at 635.89,-653.53 h7.87 r180
FL1: Mechanical 11 "1" at 847.59,543.28 h7.87 r180; Mechanical 11 "2" at 792.47,543.28 h7.87 r180; Mechanical 17 "ROBERT GABRYSIAK" at 872,533.04 h7.87 r180; Mechanical 18 "JOHAN ANDERSSON" at 870.42,544.07 h7.87 r180; Mechanical 19 "2009-09-17" at 849.95,556.27 h7.87 r180
J1: Mechanical 11 "4" at 628.76,-285.91 h7.87 r90; Mechanical 11 "5" at 628.76,-506.39 h7.87 r90; Mechanical 11 "3" at 849.24,-285.91 h7.87 r90; Mechanical 11 "2" at 849.24,-506.39 h7.87 r90; Mechanical 11 "1" at 739,-396.15 h7.87 r90; Mechanical 17 "MICHAL BLACHUCKI" at 744.75,-418 h7.87 r90; Mechanical 18 "ROBERT MITAL" at 729,-418 h7.87 r90; Mechanical 19 "2011-07-18" at 758.53,-418 h7.87 r90
J2: Top Overlay "+" at 32,28 h60
L16: Mechanical 11 "1" at 1028.04,-2.51 h7.87 r180; Mechanical 11 "2" at 996.94,-2.12 h7.87 r180; Mechanical 17 "ROBERT GABRYSIAK" at 1063.86,-9.6 h7.87 r180; Mechanical 18 "JOHAN ANDERSSON" at 1063.86,0.25 h7.87 r180; Mechanical 19 "2009-09-17" at 1045.36,12.45 h7.87 r180
L17: Mechanical 11 "1" at 1055.73,-191.4 h7.87 r270; Mechanical 11 "2" at 1055.34,-222.5 h7.87 r270; Mechanical 17 "ROBERT GABRYSIAK" at 1062.82,-155.57 h7.87 r270; Mechanical 18 "JOHAN ANDERSSON" at 1052.97,-155.57 h7.87 r270; Mechanical 19 "2009-09-17" at 1040.77,-174.07 h7.87 r270
L18: Mechanical 11 "1" at 1055.73,-316.14 h7.87 r270; Mechanical 11 "2" at 1055.34,-347.24 h7.87 r270; Mechanical 17 "ROBERT GABRYSIAK" at 1062.82,-280.31 h7.87 r270; Mechanical 18 "JOHAN ANDERSSON" at 1052.97,-280.31 h7.87 r270; Mechanical 19 "2009-09-17" at 1040.77,-298.82 h7.87 r270
L19: Mechanical 11 "1" at 1079.87,-53.33 h7.87 r270; Mechanical 11 "2" at 1079.47,-84.43 h7.87 r270; Mechanical 17 "ROBERT GABRYSIAK" at 1086.95,-17.5 h7.87 r270; Mechanical 18 "JOHAN ANDERSSON" at 1077.11,-17.5 h7.87 r270; Mechanical 19 "2009-09-17" at 1064.91,-36.01 h7.87 r270
P3: Top Overlay "31" at 481.17,-277.32 h49.6 r270; Top Overlay "30" at 229.2,-261.57 h49.6 r270; Top Overlay "2" at 233.14,395.91 h49.6 r270; Top Overlay "1" at 481.17,395.91 h49.6 r270
R12: Mechanical 11 "1" at 1366.35,-162.88 h7.87 r180; Mechanical 11 "2" at 1335.25,-162.49 h7.87 r180; Mechanical 17 "ROBERT GABRYSIAK" at 1395,-209 h7.87 r180; Mechanical 18 "JOHAN ANDERSSON" at 1397,-221 h7.87 r180; Mechanical 19 "2009-09-17" at 1360,-228 h7.87 r180
R16: Mechanical 11 "1" at 1059.64,-507.1 h7.87 r90; Mechanical 11 "2" at 1060.03,-476 h7.87 r90; Mechanical 17 "ROBERT GABRYSIAK" at 1046.25,-542.93 h7.87 r90; Mechanical 18 "JOHAN ANDERSSON" at 1056.09,-542.93 h7.87 r90; Mechanical 19 "2009-09-17" at 1068.3,-524.42 h7.87 r90
Y1: Mechanical 11 "1" at 1169.61,-174.73 h7.87; Mechanical 11 "2" at 1268.03,-174.73 h7.87; Mechanical 17 "JOANNA MINKIEWICZ" at 1161.73,-183.39 h7.87; Mechanical 18 "ROBERT MITAL" at 1161.73,-167.64 h7.87; Mechanical 19 "2011-03-09" at 1161.73,-197.17 h7.87